# KiCad board GPS-Compass.kicad_pcb
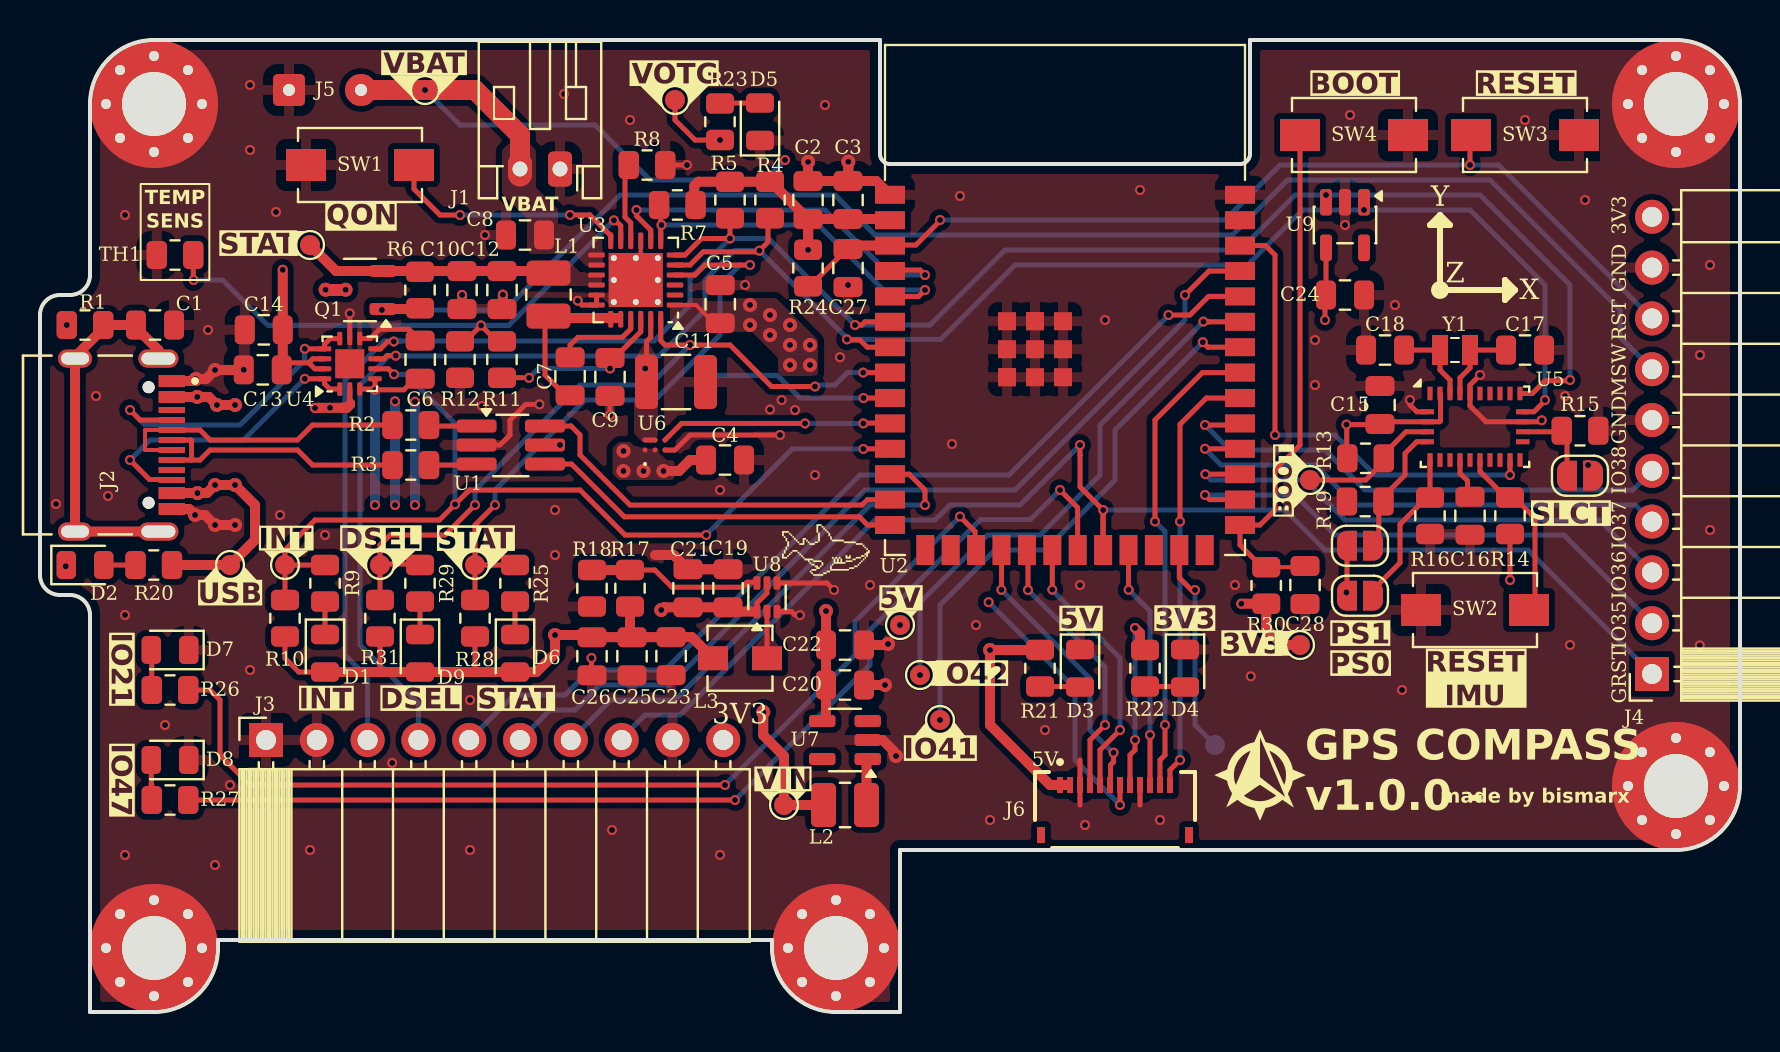
[diagram p0: board, top side]
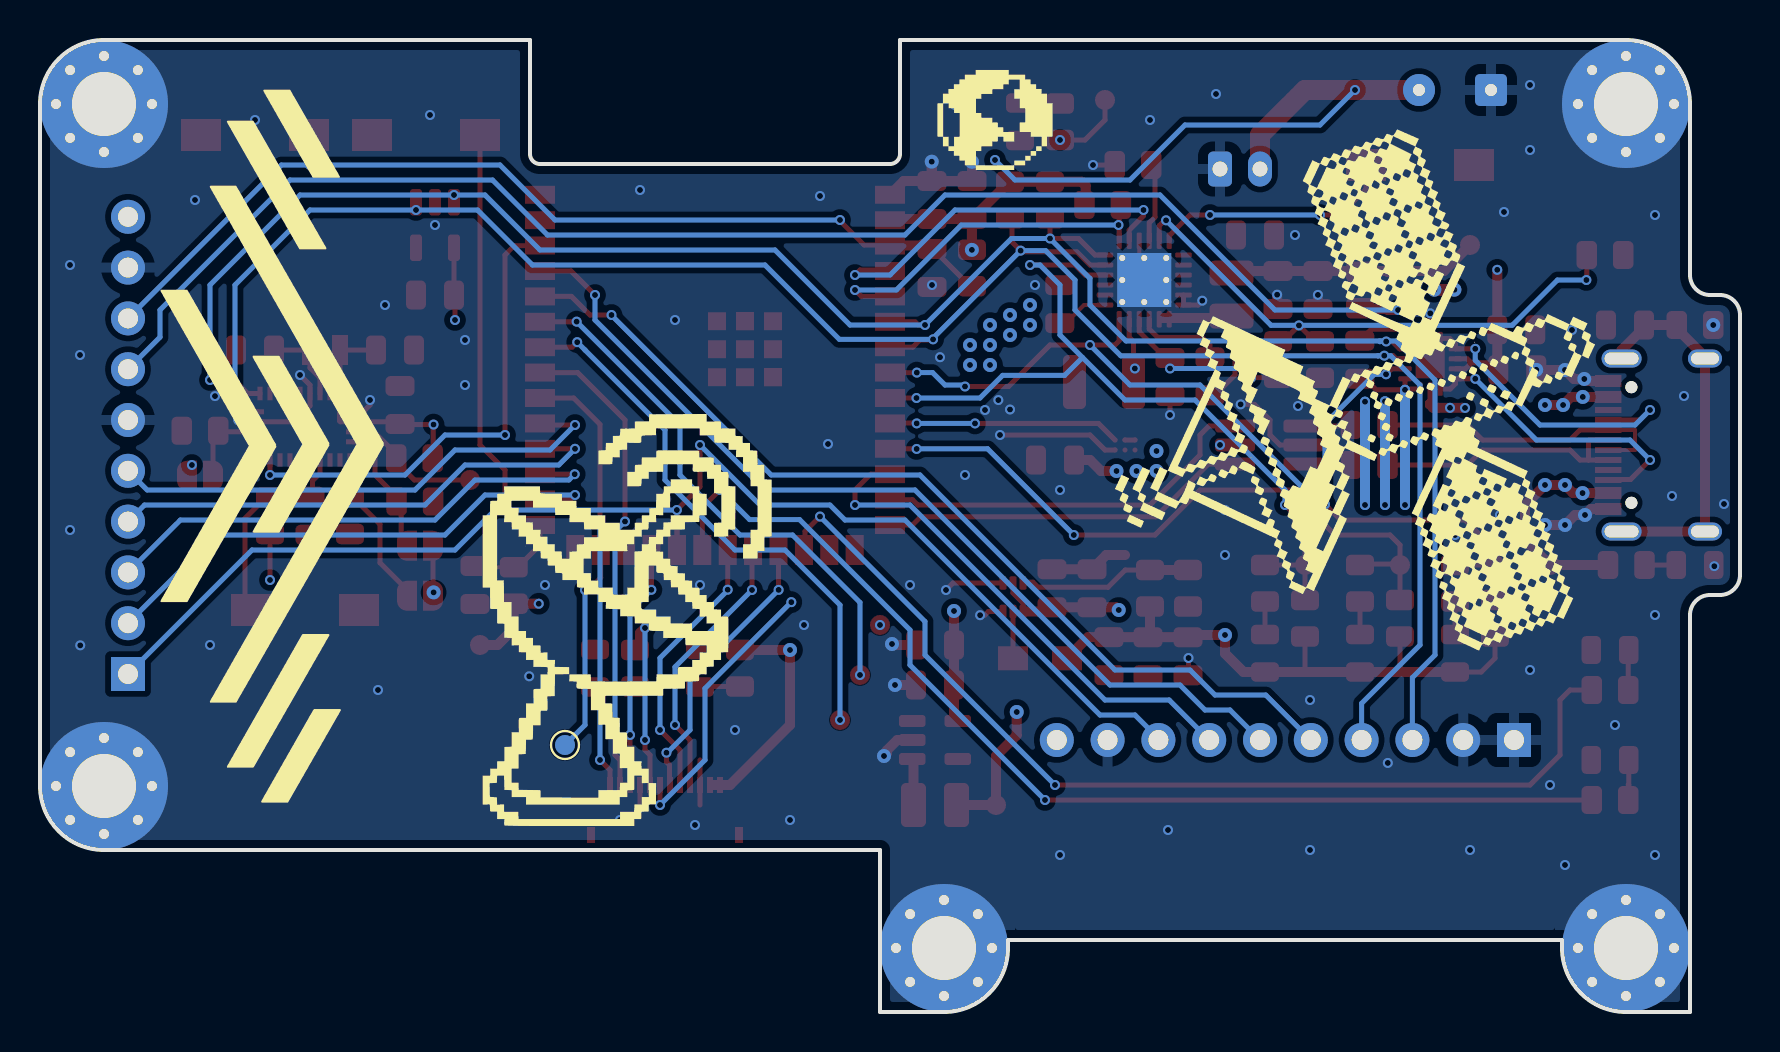
[diagram p1: board, bottom side, seen from below]

Outline 85 x 48.6 mm; copper layers: Top, In1.Cu, In2.Cu, Bottom. Coordinates in mm from the lower left corner of the outline.
Outline path: 0,34.85 0,21.85 arc(0.29,21.14) 1,20.85 1.5,20.85 arc(2.21,20.56) 2.5,19.85 2.5,0 5.7,0 arc(7.96,0.94) 8.9,3.2 8.9,3.6 36.6,3.6 36.6,3.2 arc(37.54,0.94) 39.8,0 43,0 43,8.1 81.8,8.1 arc(84.06,9.04) 85,11.3 85,45.4 arc(84.06,47.66) 81.8,48.6 60.5,48.6 60.5,42.9 arc(60.35,42.55) 60,42.4 42.5,42.4 arc(42.15,42.55) 42,42.9 42,48.6 5.7,48.6 arc(3.44,47.66) 2.5,45.4 2.5,36.85 arc(2.21,36.14) 1.5,35.85 1,35.85 arc(0.29,35.56) 0,34.85
Stack: Top 0.035mm / dielectric 0.1mm FR4 er 4.5 / In1.Cu 0.035mm / dielectric 1.24mm FR4 er 4.5 / In2.Cu 0.035mm / dielectric 0.1mm FR4 er 4.5 / Bottom 0.035mm

## Placement (name value [footprint] x y rotation side)
C1  100n  [C_0805_2012Metric]  5.75 34.35 0 top
C2  10u  [C_0805_2012Metric]  38.4 40.6 90 top
C3  100n  [C_0805_2012Metric]  40.4 40.6 90 top
C4  100n  [C_0805_2012Metric]  34.25 27.6 0 top
C5  1u  [C_0805_2012Metric]  34.01 35.39 90 top
C6  100n  [C_0805_2012Metric]  19.01 32.62 90 top
C7  47n  [C_0805_2012Metric]  26.5 31.78 90 top
C8  10u  [C_0805_2012Metric]  24.25 38.85 180 top
C9  4.7u  [C_0805_2012Metric]  28.5 31.75 270 top
C10  10u  [C_0805_2012Metric]  21.1 36.1 270 top
C11  47u  [C_1210_3225Metric]  31.8 31.5 0 top
C12  10u  [C_0805_2012Metric]  23.1 36.1 270 top
C13  100n  [C_0805_2012Metric]  11.14 32.11 180 top
C14  10u  [C_0805_2012Metric]  11.19 34.11 180 top
C15  100n  [C_0805_2012Metric]  67 30.35 90 top
C16  1u  [C_0805_2012Metric]  71.5 24.81 270 top
C17  18p  [C_0805_2012Metric]  74.25 33.1 0 top
C18  18p  [C_0805_2012Metric]  67.25 33.1 180 top
C19  100n  [C_0805_2012Metric]  34.4 21.19 90 top
C20  100n  [C_0805_2012Metric]  40.25 16.35 0 top
C21  22u  [C_0805_2012Metric]  32.4 21.19 90 top
C22  22u  [C_0805_2012Metric]  40.25 18.35 0 top
C23  100n  [C_0805_2012Metric]  31.55 17.8 270 top
C24  100n  [C_0805_2012Metric]  65.25 35.85 180 top
C25  22u  [C_0805_2012Metric]  29.6 17.79 270 top
C26  22u  [C_0805_2012Metric]  27.6 17.79 270 top
C27  100n  [C_0805_2012Metric]  40.4 37.2 90 top
C28  100n  [C_0805_2012Metric]  63.25 21.35 90 top
D1  LED  [LED_0805_2012Metric]  14.25 17.94 270 top
D2  LED  [LED_0805_2012Metric]  2.25 22.35 0 top
D3  LED  [LED_0805_2012Metric]  52 17.19 270 top
D4  LED  [LED_0805_2012Metric]  57.25 17.19 270 top
D5  LED  [LED_0805_2012Metric]  36 44.51 90 top
D6  LED  [LED_0805_2012Metric]  23.75 17.94 270 top
D7  LED  [LED_0805_2012Metric]  6.5 18.1 180 top
D8  LED  [LED_0805_2012Metric]  6.5 12.6 180 top
D9  LED  [LED_0805_2012Metric]  19 17.94 270 top
G***  LOGO  [COMPASS_IMG]  59.99 10.53 0 top
G***#2  LOGO  [BLAHAJ_IMG_silk]  39.25 23.1 0 top
G***#3  -  [LOGO]  64.84 21.58 180 bottom
G***#4  -  [LOGO]  19.31 28.62 25 bottom
G***#5  -  [LOGO]  38.18 43.94 0 bottom
H1  Mounting Hole M3  [MountingHole_3.2mm_M3_Pad_Via]  39.8 3.2 0 top
H2  Mounting Hole M3  [MountingHole_3.2mm_M3_Pad_Via]  5.7 45.4 90 top
H3  Mounting Hole M3  [MountingHole_3.2mm_M3_Pad_Via]  5.7 3.2 90 top
H4  Mounting Hole M3  [MountingHole_3.2mm_M3_Pad_Via]  81.8 11.3 90 top
H5  Mounting Hole M3  [MountingHole_3.2mm_M3_Pad_Via]  81.8 45.4 90 top
J1  Conn_01x02_Pin  [JST_PH_S2B-PH-K_1x02_P2.00mm_Horizontal]  26 42.15 180 top
J2  USB_TypeC  [HRO_TYPE-C-31-M-12]  1.75 28.35 270 top
J3  01x10  [PinSocket_1x10_P2.54mm_Horizontal]  11.3 13.6 90 top
J4  01x10  [PinSocket_1x10_P2.54mm_Horizontal]  80.6 16.9 180 top
J5  Conn_01x02_Pin  [SolderWire-0.1sqmm_1x02_P3.6mm_D0.4mm_OD1mm]  12.45 46.1 0 top
J6  FFC2B28-12-G  [GCT_FFC2B28-12-G]  53.75 10.1 0 top
JP1  Jumper_2_Small_Open  [SolderJumper-2_P1.3mm_Open_RoundedPad1.0x1.5mm]  77 26.81 0 top
JP2  Jumper_2_Small_Open  [SolderJumper-2_P1.3mm_Open_RoundedPad1.0x1.5mm]  66 20.81 180 top
JP3  Jumper_2_Small_Open  [SolderJumper-2_P1.3mm_Open_RoundedPad1.0x1.5mm]  66 23.31 180 top
L1  2.2u  [L_1008_2520Metric]  25.42 35.87 90 top
L2  2.2u  [L_1008_2520Metric]  40.25 10.35 0 top
L3  1.5u  [L_Vishay_IHLP-1212]  35 17.69 180 top
Q1  SI2393DS  [SOT-23-3]  16 36.1 180 top
R1  100k  [R_0805_2012Metric]  2.25 34.35 180 top
R2  15R  [R_0805_2012Metric]  18.54 29.35 0 top
R3  15R  [R_0805_2012Metric]  18.54 27.35 0 top
R4  10k  [R_0805_2012Metric]  36.5 40.6 90 top
R5  10k  [R_0805_2012Metric]  34.5 40.6 90 top
R6  10k  [R_0805_2012Metric]  19 36.1 90 top
R7  10k  [R_0805_2012Metric]  31.87 40.35 180 top
R8  RLIM  [R_0805_2012Metric]  30.35 42.35 0 top
R9  2.2k  [R_0805_2012Metric]  14.25 21.44 90 top
R10  10k  [R_0805_2012Metric]  12.25 19.69 270 top
R11  5.23k  [R_0805_2012Metric]  23.1 32.62 270 top
R12  30.1k  [R_0805_2012Metric]  21 32.62 90 top
R13  10k  [R_0805_2012Metric]  66.28 27.69 180 top
R14  10k  [R_0805_2012Metric]  73.5 24.81 270 top
R15  10k  [R_0805_2012Metric]  77 29.06 180 top
R16  10k  [R_0805_2012Metric]  69.5 24.81 90 top
R17  45k  [R_0805_2012Metric]  29.5 21.19 270 top
R18  10k  [R_0805_2012Metric]  27.6 21.19 90 top
R19  10k  [R_0805_2012Metric]  66.26 25.52 0 top
R20  2.2k  [R_0805_2012Metric]  5.69 22.35 180 top
R21  2.2k  [R_0805_2012Metric]  50 17.19 270 top
R22  2.2k  [R_0805_2012Metric]  55.25 17.19 270 top
R23  2.2k  [R_0805_2012Metric]  34 44.51 90 top
R24  10k  [R_0805_2012Metric]  38.4 37.2 90 top
R25  2.2k  [R_0805_2012Metric]  23.75 21.44 270 top
R26  220R  [R_0805_2012Metric]  6.5 16.1 180 top
R27  220R  [R_0805_2012Metric]  6.5 10.6 180 top
R28  10k  [R_0805_2012Metric]  21.75 19.69 270 top
R29  2.2k  [R_0805_2012Metric]  19 21.44 270 top
R30  10k  [R_0805_2012Metric]  61.31 21.33 270 top
R31  10k  [R_0805_2012Metric]  17 19.69 270 top
SW1  SHIP-MODE  [SW_SPST_EVQPE1]  16 42.35 0 top
SW2  RST  [SW_SPST_EVQPE1]  71.75 20.1 0 top
SW3  RESET  [SW_SPST_EVQPE1]  74.25 43.85 180 top
SW4  BOOT  [SW_SPST_EVQPE1]  65.7 43.85 180 top
TH1  10k NTC  [R_0805_2012Metric]  6.75 37.85 180 top
TP1  TestPoint  [TestPoint_Pad_D1.0mm]  63.5 26.6 0 top
TP2  TestPoint  [TestPoint_Pad_D1.0mm]  13.5 38.35 0 top
TP3  TestPoint  [TestPoint_Pad_D1.0mm]  44 16.85 0 top
TP4  TestPoint  [TestPoint_Pad_D1.0mm]  19.25 46.1 180 top
TP5  TestPoint  [TestPoint_Pad_D1.0mm]  45 14.6 0 top
TP6  TestPoint  [TestPoint_Pad_D1.0mm]  9.5 22.35 180 top
TP7  TestPoint  [TestPoint_Pad_D1.0mm]  58.75 13.35 0 bottom
TP8  TestPoint  [TestPoint_Pad_D1.0mm]  31.75 45.6 0 top
TP9  TestPoint  [TestPoint_Pad_D1.0mm]  17 22.35 0 top
TP10  TestPoint  [TestPoint_Pad_D1.0mm]  43 19.35 0 top
TP11  TestPoint  [TestPoint_Pad_D1.0mm]  21.75 22.35 0 top
TP12  TestPoint  [TestPoint_Pad_D1.0mm]  63 18.35 0 top
TP13  TestPoint  [TestPoint_Pad_D1.0mm]  12.25 22.35 0 top
TP14  TestPoint  [TestPoint_Pad_D1.0mm]  37.2 10.35 0 top
U1  USBLC6-2SC6  [TSOT-23-6_HandSoldering]  23.54 28.35 0 top
U2  -  [ESP32-S3-WROOM-1]  51.25 32.6 0 top
U3  BQ25895RTW  [Texas_RTW_WQFN-24-1EP_4x4mm_P0.5mm_EP2.7x2.7mm_ThermalVias]  29.79 36.6 180 top
U4  FUSB302B11MPX  [WQFN-14-1EP_2.5x2.5mm_P0.5mm_EP1.45x1.45mm]  15.49 32.41 90 top
U5  BNO055  [LGA-28_5.2x3.8mm_P0.5mm]  71.75 29.26 0 top
U6  KTS1605EUB-1-TR  [KTS1605EUB1TR]  30.75 28.35 90 top
U7  TPS613222ADBV  [SOT-23-5]  40.25 13.6 180 top
U8  TPS565242DRLR  [SOT-563]  36.35 20.74 90 top
U9  24CW1280T-I/OT  [SOT-23-5]  65.25 39.35 270 top
Y1  32.768k  [CM8V32768TA020125]  70.75 33.1 0 top

## Library data of the parts
C1-C6 C8 C10 C12-C20 C23 C24 = -: Description: Unpolarized capacitor, small symbol; ki_fp_filters: C_*
C7 = -: Datasheet: https://cz.mouser.com/ProductDetail/KEMET/C0805C473K1RAC7210?qs=Eba5AOZj%252BtuK8jL1PHDTHw%3D%3D; Description: Unpolarized capacitor, small symbol; ki_fp_filters: C_*
C9 = -: Datasheet: https://cz.mouser.com/ProductDetail/Murata-Electronics/GRM21BR71C475KE51K?qs=GtmDRopnxzr%2F5bkS0ZUcHw%3D%3D; Description: Unpolarized capacitor, small symbol; ki_fp_filters: C_*
C11 = -: Datasheet: https://cz.mouser.com/ProductDetail/Samsung-Electro-Mechanics/CL32B476MPJNNNE?qs=sGAEpiMZZMs7ZEmUmaUL0%2FtCgRSvJnH%2F7y0XoJCLRRdnpchOdfR0JA%3D%3D; Description: Unpolarized capacitor, small symbol; ki_fp_filters: C_*
C21 C25 C26 = -: Datasheet: https://cz.mouser.com/ProductDetail/Murata-Electronics/GRM21BR61C226ME44L?qs=H45D%252BQBid9ZSEksDj3jAIw%3D%3D; Description: Unpolarized capacitor, small symbol; ki_fp_filters: C_*
C22 = -: Datasheet: https://cz.mouser.com/ProductDetail/Murata-Electronics/GRT21BR61C226ME13L?qs=sGAEpiMZZMsh%252B1woXyUXjwCL2ejZfi6FneAEiHetz7s%3D; Description: Unpolarized capacitor, small symbol; ki_fp_filters: C_*
C27 C28 = -: ki_fp_filters: C_*
D1 = -: Description: Light emitting diode, small symbol; Sim.Pin: 1=K 2=A; ki_fp_filters: LED* LED_SMD:* LED_THT:*
D2-D9 = -: Description: Light emitting diode; Sim.Pins: 1=K 2=A; ki_fp_filters: LED* LED_SMD:* LED_THT:*
H1-H5 = -: Description: Mounting Hole with connection; ki_fp_filters: MountingHole*Pad*
J1 = -: Datasheet: https://dratek.cz/arduino/178678-lipol-baterie-103448-1800mah-3-7v.html?gad_source=1&gad_campaignid=21656222776&gclid=EAIaIQobChMIibzTxJS_jwMVqAUGAB3lkzdUEAQYByABEgLJOPD_BwE; Description: Generic connector, single row, 01x02, script generated; ki_fp_filters: Connector*:*_1x??_*
J2 = -: Datasheet: TYPE-C-31-M-12; Description: USB Connectors 24 Receptacle 1 8.94*7.3mm RoHS; MF: HRO Electronics Co., Ltd.; MAXIMUM_PACKAGE_HEIGHT: 3.26 mm; Package: Package; Price: None; Check_prices: https://www.snapeda.com/parts/TYPE-C-31-M-12/HRO+Electronics+Co.%252C+Ltd./view-part/?ref=eda; STANDARD: Manufacturer Recommendations; PARTREV: 2020.12.08; SnapEDA_Link: https://www.snapeda.com/parts/TYPE-C-31-M-12/HRO+Electronics+Co.%252C+Ltd./view-part/?ref=snap; MP: TYPE-C-31-M-12; SNAPEDA_PN: TYPE-C-31-M-12; Availability: Not in stock; MANUFACTURER: HRO Electronics Co., Ltd.
J3 J4 = -: Description: Generic connector, single row, 01x10, script generated; ki_fp_filters: Connector*:*_1x??_*
J5 = -: Datasheet: https://dratek.cz/arduino/121796-led-graficky-indikator-kapacity-lithiove-baterie-18650-1s.html?gad_source=1&gad_campaignid=17190055571&gclid=EAIaIQobChMIrO7jvpfQjwMVNaqDBx2tsRzeEAQYCSABEgIol_D_BwE; Description: Generic connector, single row, 01x02, script generated; ki_fp_filters: Connector*:*_1x??_*
J6 = -: Datasheet: https://cz.mouser.com/ProductDetail/GCT/FFC2B28-12-G?qs=KUoIvG%2F9Ilb3Lmj8zxhxfA%3D%3D; MF: Global Connector Technology; MAXIMUM_PACKAGE_HEIGHT: 1.75mm; Package: None; Price: None; Check_prices: https://www.snapeda.com/parts/FFC2B28-12-G/Global+Connector+Technology/view-part/?ref=eda; STANDARD: Manufacturer Recommendations; PARTREV: A; SnapEDA_Link: https://www.snapeda.com/parts/FFC2B28-12-G/Global+Connector+Technology/view-part/?ref=snap; Description_1: 12 Position FFC, FPC Connector Contacts, Top and Bottom 0.020 (0.50mm) Surface Mount, Right Angle; Availability: In Stock; MANUFACTURER: GCT
JP1-JP3 = -: Description: Jumper, 2-pole, small symbol, open; ki_fp_filters: Jumper* TestPoint*2Pads* TestPoint*Bridge*
L1 = -: Datasheet: https://cz.mouser.com/ProductDetail/ABRACON/AOTA-B201610S2R2MT?qs=Imq1NPwxi750U0%2F%2F0upQgg%3D%3D; Description: Inductor, small symbol; ki_fp_filters: Choke_* *Coil* Inductor_* L_*
L2 = -: Datasheet: https://cz.mouser.com/ProductDetail/ABRACON/AOTA-B252010S2R2MT?qs=1Kr7Jg1SGW8H59B6i%252B4XUg%3D%3D; Description: Inductor; ki_fp_filters: Choke_* *Coil* Inductor_* L_*
L3 = -: Datasheet: https://cz.mouser.com/ProductDetail/Vishay-Dale/IHLP1212BZEV1R5M5A?qs=BJlw7L4Cy7%2FLPKyjRWwgFw%3D%3D; Description: Inductor; ki_fp_filters: Choke_* *Coil* Inductor_* L_*
Q1 = -: Datasheet: https://cz.mouser.com/ProductDetail/Vishay-Semiconductors/SI2393DS-T1-GE3?qs=BJlw7L4Cy7%2FUF13oxTStOQ%3D%3D; Description: P-MOSFET transistor, gate/source/drain
R1 R4-R7 R10 R13-R19 = -: Description: Resistor, small symbol; ki_fp_filters: R_*
R2 R3 R24 R30 = -: ki_fp_filters: R_*
R8 R9 = -: Datasheet: https://cz.mouser.com/ProductDetail/Panasonic/ERA-6AEB3830V?qs=nuXzIS8loXH44qGsaeO%252BAA%3D%3D; Description: Resistor, small symbol; ki_fp_filters: R_*
R11 = -: Datasheet: https://cz.mouser.com/ProductDetail/YAGEO/RT0805FRE075K23L?qs=sGAEpiMZZMtG0KNrPCHnjY0bETwkJgH9c%252BmQQ1Tx%252B5c%3D; LCSC: C17633; ki_fp_filters: R_*
R12 = -: Datasheet: https://cz.mouser.com/ProductDetail/YAGEO/AC0805FR-0730K1L?qs=sGAEpiMZZMtG0KNrPCHnjb7pwTm6OtIu4y6rafFOIHo%3D; LCSC: C17633; ki_fp_filters: R_*
R20-R23 R26-R28 R31 = -: LCSC: C17633; ki_fp_filters: R_*
R25 R29 = -: Datasheet: https://cz.mouser.com/ProductDetail/Panasonic/ERA-6AED222V?qs=MNPzkKEzRtSATzFNi%252BEAWg%3D%3D; LCSC: C17633; ki_fp_filters: R_*
SW1-SW4 = -: Datasheet: https://cz.mouser.com/ProductDetail/Panasonic/EVQ-PE104K?qs=wX5mvoJE4NGLiYsCBZAptQ%3D%3D
TH1 = -: Datasheet: https://cz.mouser.com/ProductDetail/Vishay-BC-Components/NTCS0402E3103JL1T?qs=u16ybLDytRbpAQe7oeAOlw%3D%3D; Description: Temperature dependent resistor, negative temperature coefficient; ki_fp_filters: *NTC* *Thermistor* PIN?ARRAY* bornier* *Terminal?Block* R_*
TP1-TP14 = -: Description: test point; ki_fp_filters: Pin* Test*
U1 = -: Datasheet: https://cz.mouser.com/ProductDetail/STMicroelectronics/USBLC6-2SC6?qs=po45yt2pPpu%2FhNIlwQdTlg%3D%3D; Description: 17V Clamp 5A (8/20µs) Ipp Tvs Diode Surface Mount SOT-23-6; MF: STMicroelectronics; PURCHASE-URL: https://pricing.snapeda.com/search/part/USBLC6-2SC6/?ref=eda; PACKAGE: SOT-23-6 STMicroelectronics; PRICE: None; Package: SOT-23-6 STMicroelectronics; Check_prices: https://www.snapeda.com/parts/USBLC6-2SC6/STMicroelectronics/view-part/?ref=eda; Price: None; SnapEDA_Link: https://www.snapeda.com/parts/USBLC6-2SC6/STMicroelectronics/view-part/?ref=snap; Purchase-URL: https://www.snapeda.com/api/url_track_click_mouser/?unipart_id=231887&manufacturer=STMicroelectronics&part_name=USBLC6-2SC6&search_term=None; Availability: In Stock; AVAILABILITY: In Stock; DESCRIPTION: 17V Clamp 5A (8/20µs) Ipp Tvs Diode Surface Mount SOT-23-6
U2 = -: Datasheet: https://www.espressif.com/sites/default/files/documentation/esp32-s3-wroom-1_wroom-1u_datasheet_en.pdf; Description: RF Module, ESP32-S3 SoC, Wi-Fi 802.11b/g/n, Bluetooth, BLE, 32-bit, 3.3V, onboard antenna, SMD; ki_fp_filters: ESP32?S3?WROOM?1*
U3 = -: Datasheet: https://cz.mouser.com/ProductDetail/Texas-Instruments/BQ25895MRTWR?qs=uNh9J9Y3wTe%2F%252BmcQbu7CLA%3D%3D; Description: \; ki_fp_filters: Texas*RTW*EP2.7x2.7mm*
U4 = -: Datasheet: https://cz.mouser.com/ProductDetail/onsemi-Fairchild/FUSB302B11MPX?qs=jFK2DQXLaBwFFZq6iARIyw%3D%3D; Description: Programmable USB Type-C Controller w/PD, I2C address 0x25, WQFN-14; ki_fp_filters: WQFN*1EP*2.5x2.5mm*P0.5mm*
U5 = -: Datasheet: https://cz.mouser.com/ProductDetail/Bosch-Sensortec/BNO055?qs=QhAb4EtQfbV8Z2YmISucWw%3D%3D; Description: Intelligent 9-axis absolute orientation sensor, LGA-28; ki_fp_filters: LGA*5.2x3.8mm*P0.5mm*
U6 = -: Datasheet: https://cz.mouser.com/ProductDetail/Kinetic-Technologies/KTS1605EUB-1-TR?qs=lc2O%252BfHJPVYRBzZg%252BJBegw%3D%3D; Description: Power Switch ICs - Power Distribution 5A Slew-Rate Controlled Load Switch with Reverse Blocking; Height: 0.67; Manufacturer_Name: Kinetic Technologies
U7 = -: Datasheet: https://cz.mouser.com/ProductDetail/Texas-Instruments/TPS613222ADBVR?qs=W0yvOO0ixfE4d69WXsn8NQ%3D%3D; Description: 1.8A Step-Up Converter, 5V Output Voltage, 0.9-5.5V Input Voltage, SOT-23-5; ki_fp_filters: SOT?23*
U8 = -: Datasheet: https://www.ti.com/lit/gpn/tps565247; Description: Switching Voltage Regulators 3-V to 16-V input voltage, 5-A ECO mode, synchronous buck converter in SOT-563 package; Height: 0.6; Manufacturer_Name: Texas Instruments; Mouser Part Number: 595-TPS565242DRLR; Mouser Price/Stock: https://www.mouser.co.uk/ProductDetail/Texas-Instruments/TPS565242DRLR?qs=tlsG%2FOw5FFgHUuabKshykA%3D%3D; LCSC: XXXX
U9 = -: Datasheet: https://cz.mouser.com/ProductDetail/Microchip-Technology/24CW1280T-I-OT?qs=qSfuJ%2Bfl%2Fd6lIWZGGRvkYA%3D%3D&srsltid=AfmBOopEyBEM8kXNtGpJf08nyoKZxPpbOdyFuOdmG2mnxvdzQvTssOs6; Description: I2C Serial EEPROM, 128Kb, SOT-23; ki_fp_filters: SOT?23*
Y1 = -: Datasheet: https://cz.mouser.com/ProductDetail/Micro-Crystal/CM8V-T1A-32.768kHz-12.5pF-20PPM-TA-QC?qs=7bTaA%2FLYtSYgtx%252BmOOZAYQ%3D%3D; Description: Two pin crystal; ki_fp_filters: Crystal*

## Footprints (pads in the part's own frame, mm; a bottom-side part is the same pattern mirrored in y, then rotated)
C_0805_2012Metric
  rrect 1x1.45 smd: 1(-0.95,0) 2(0.95,0)
C_1210_3225Metric
  rrect 1.15x2.7 smd: 1(-1.475,0) 2(1.475,0)
CM8V32768TA020125
  rect 0.8x1.5 smd: 1(-0.75,0) 2(0.75,0)
ESP32-S3-WROOM-1
  rect 1.5x0.9 smd: 1(-8.75,8.26) 2(-8.75,6.99) 3(-8.75,5.72) 4(-8.75,4.45) 5(-8.75,3.18) 6(-8.75,1.91) 7(-8.75,0.64) 8(-8.75,-0.63) 9(-8.75,-1.9) 10(-8.75,-3.17) 11(-8.75,-4.44) 12(-8.75,-5.71) 13(-8.75,-6.98) 14(-8.75,-8.25) 27(8.75,-8.25) 28(8.75,-6.98) 29(8.75,-5.71) 30(8.75,-4.44) 31(8.75,-3.17) 32(8.75,-1.9) 33(8.75,-0.63) 34(8.75,0.64) 35(8.75,1.91) 36(8.75,3.18) 37(8.75,4.45) 38(8.75,5.72) 39(8.75,6.99) 40(8.75,8.26)
  rect 0.9x1.5 smd: 15(-6.985,-9.5) 16(-5.715,-9.5) 17(-4.445,-9.5) 18(-3.175,-9.5) 19(-1.905,-9.5) 20(-0.635,-9.5) 21(0.635,-9.5) 22(1.905,-9.5) 23(3.175,-9.5) 24(4.445,-9.5) 25(5.715,-9.5) 26(6.985,-9.5)
  rect 0.9x0.9 smd: 41(-2.9,1.94) 41(-2.9,0.54) 41(-2.9,-0.86) 41(-2.9,-0.86) 41(-1.5,1.94) 41(-1.5,1.94) 41(-1.5,0.54) 41(-1.5,-0.86) 41(-0.1,1.94) 41(-0.1,0.54) 41(-0.1,-0.86)
GCT_FFC2B28-12-G
  rect 0.3x0.8 smd: 1(-2.75,1.25) 2(-2.25,1.25) 3(-1.75,1.25) 4(-1.25,1.25) 5(-0.75,1.25) 6(-0.25,1.25) 7(0.25,1.25) 8(0.75,1.25) 9(1.25,1.25) 10(1.75,1.25) 11(2.25,1.25) 12(2.75,1.25)
  rect 0.4x0.8 smd: S1(-3.7,-1.25) S2(3.7,-1.25)
HRO_TYPE-C-31-M-12
  round 0.6 hole 0.6 unplated: (-2.89,3.68) (2.89,3.68)
  rect 0.6x1.32 smd: A1_B12(-3.2,4.84) A4_B9(-2.4,4.84) B1_A12(3.2,4.84) B4_A9(2.4,4.84)
  rect 0.3x1.32 smd: A5(-1.25,4.84) A6(-0.25,4.84) A7(0.25,4.84) A8(1.25,4.84) B5(1.75,4.84) B6(0.75,4.84) B7(-0.75,4.84) B8(-1.75,4.84)
  oval 0.9x2 hole 0.6x1.7: S1(-4.325,4.17) S2(4.325,4.17)
  oval 0.9x1.7 hole 0.6x1.4: S3(-4.325,0) S4(4.325,0)
JST_PH_S2B-PH-K_1x02_P2.00mm_Horizontal
  rrect 1.2x1.75 hole 0.75: 1(0,0)
  oval 1.2x1.75 hole 0.75: 2(2,0)
KTS1605EUB1TR
  round 0.25 smd: A1(-0.25,0.5) A2(0.25,0.5) B1(-0.25,0) B2(0.25,0) C1(-0.25,-0.5) C2(0.25,-0.5)
L_1008_2520Metric
  rrect 1.25x2.2 smd: 1(-1.075,0) 2(1.075,0)
L_Vishay_IHLP-1212
  rect 1.5x1.2 smd: 1(-1.35,0) 2(1.35,0)
LED_0805_2012Metric
  rrect 0.975x1.4 smd: 1(-0.938,0) 2(0.938,0)
LGA-28_5.2x3.8mm_P0.5mm
  rect 0.254x0.675 smd: 1(-2.25,1.663) 6(-2.25,-1.663) 7(-1.75,-1.663) 8(-1.25,-1.663) 9(-0.75,-1.663) 10(-0.25,-1.663) 11(0.25,-1.663) 12(0.75,-1.663) 13(1.25,-1.663) 14(1.75,-1.663) 15(2.25,-1.663) 20(2.25,1.663) 21(1.75,1.663) 22(1.25,1.663) 23(0.75,1.663) 24(0.25,1.663) 25(-0.25,1.663) 26(-0.75,1.663) 27(-1.25,1.663) 28(-1.75,1.663)